# KiCad board data-center-rdimm-ddr4-tester.kicad_pcb (continued)
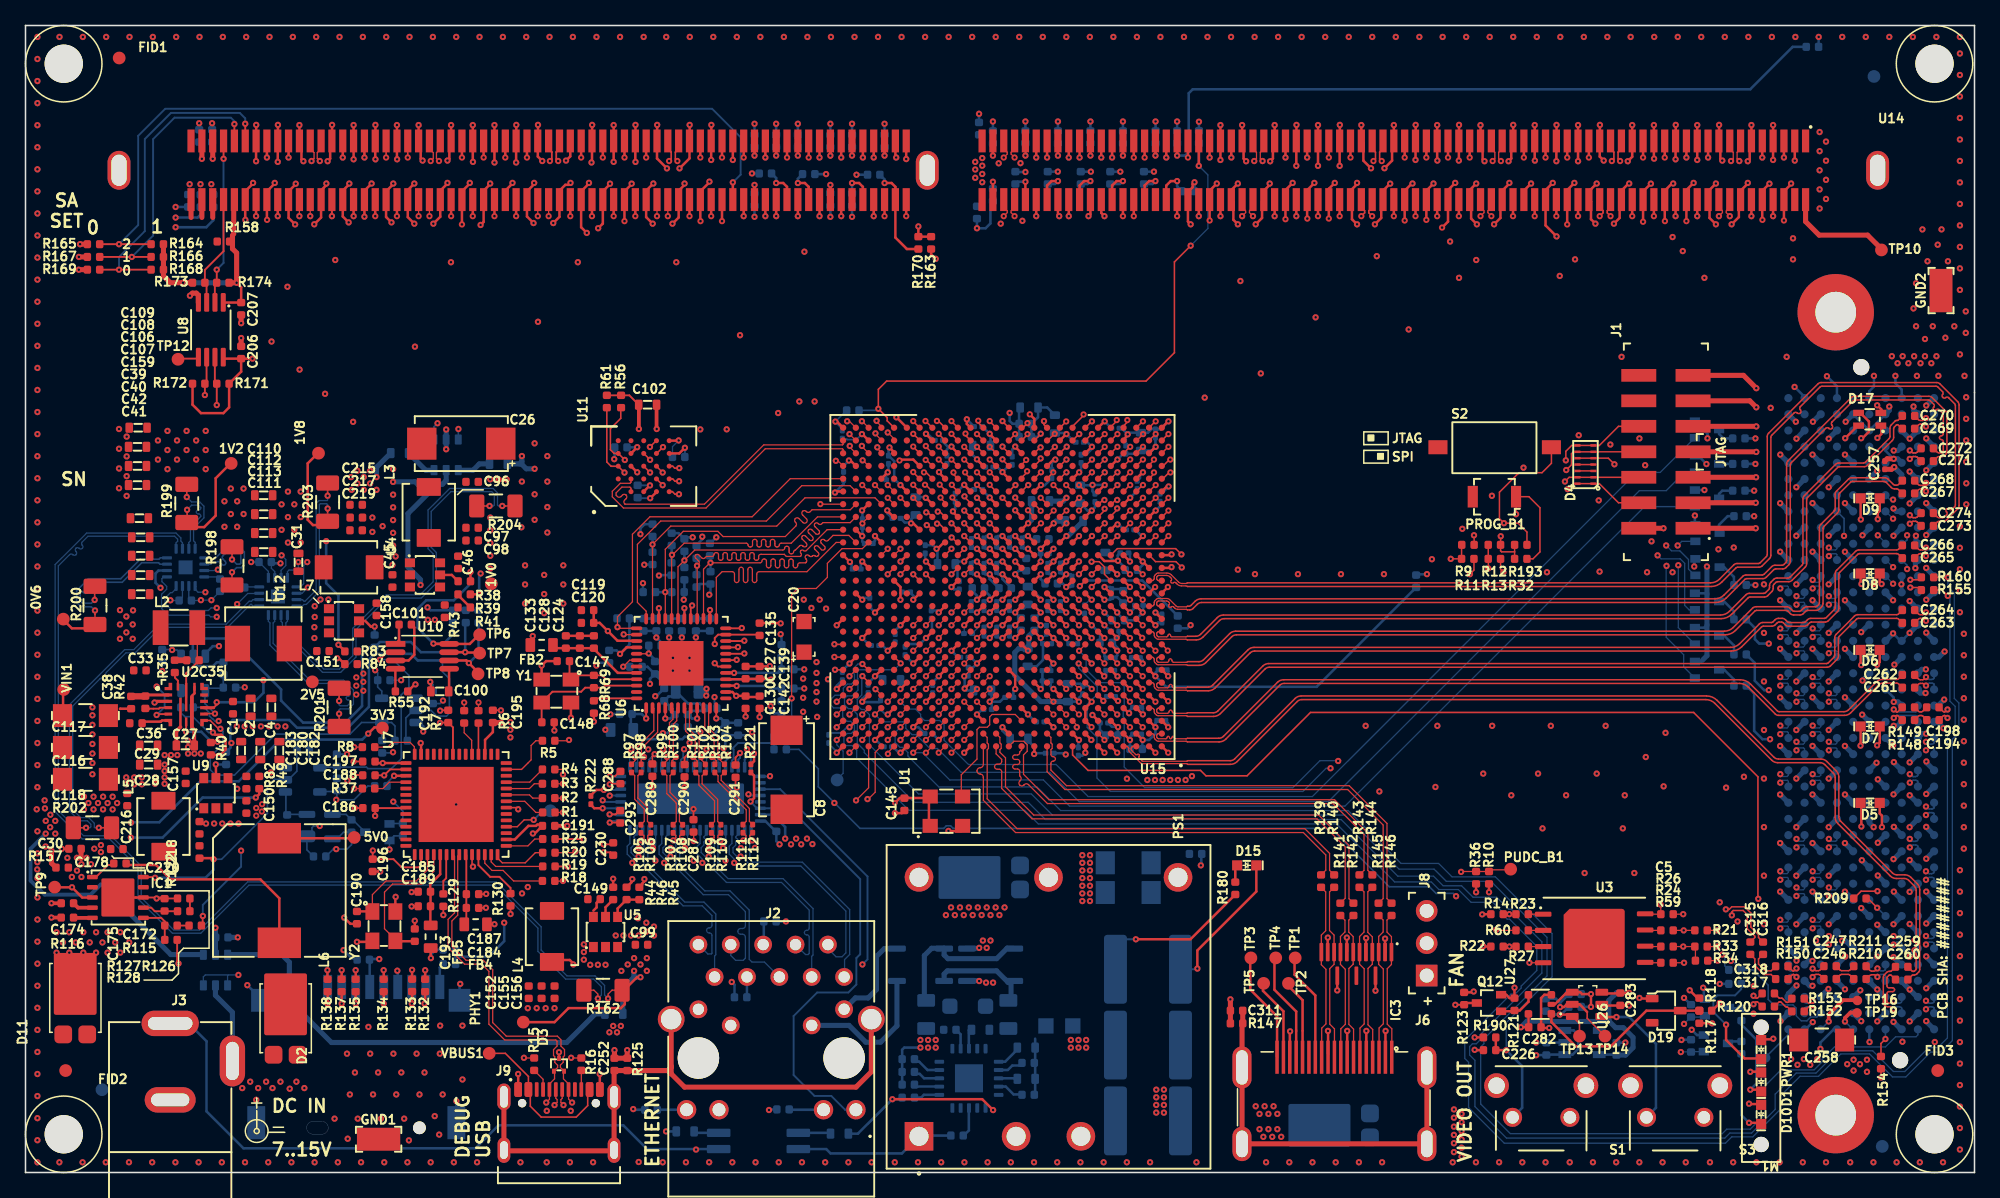
[diagram p0: board, top side]
## Footprints (pads in the part's own frame, mm; a bottom-side part is the same pattern mirrored in y, then rotated) (continued)
HDMI-A_Receptacle_WE_685119134923
  rect 0.28x2.6 smd: 1(-4.55,-5.224) 2(-4.05,-5.224) 3(-3.551,-5.224) 4(-3.051,-5.224) 5(-2.551,-5.224) 6(-2.05,-5.224) 7(-1.551,-5.224) 8(-1.051,-5.224) 9(-0.551,-5.224) 10(-0.051,-5.224) 11(0.45,-5.224) 12(0.95,-5.224) 13(1.449,-5.224) 14(1.949,-5.224) 15(2.45,-5.224) 16(2.95,-5.224) 17(3.45,-5.224) 18(3.95,-5.224) 19(4.45,-5.224)
  oval 1.5x2.7 hole 0.9x2.1: SH(-7.3,1.577) SH(7.2,1.577)
  oval 1.5x3.3 hole 0.9x2.7: SH(-7.3,-4.424) SH(7.2,-4.424)
KEMET_A
  rect 1.2x1.2 smd: 1(-1.2,0) 2(1.2,0)
KEMET_D
  rect 2.31x2.52 smd: 1(-3.1,0) 2(3.1,0)
L_1210_3225Metric
  rect 1.24x2.72 smd: 1(-1.439,0) 2(1.439,0)
L_1716_4441Metric
  rrect 1.4x1.9 smd: 1(-2,0.002) 2(2,0.002)
L_2020_5252Metric
  rect 1.981x2.794 smd: 1(-2.032,0) 2(2.031,0)
L_WE-PDF
  rect 2.4x3.4 smd: 1(-4.1,0) 2(4.099,0)
LED_0603_1608Metric_G
  rect 0.8x0.8 smd: 1(-0.75,0) 2(0.75,0)
LED_RGY_1.6x1.6mm_APTF1616
  rect 0.85x0.5 smd: 1(-0.874,0.499) 2(0.874,0.499) 3(0.874,-0.498) 4(-0.874,-0.498)
Mech_Lightpipe_Mentor_1296.2013
  round 1.2 hole 1.2 unplated: (0,4.96) (0,-4.24)
MicroSD_Wurth_693071020811
  round 1 hole 1 unplated: (-4.952,-3.482)
  rect 0.7x1.9 smd: 1(2.249,7.569) 2(1.148,7.569) 3(0.05,7.569) 4(-1.051,7.569) 5(-2.15,7.569) 6(-3.25,7.569) 7(-4.351,7.569) 8(-5.452,7.569) 9(-6.55,7.569)
  rect 1.7x1.8 smd: SH(-8.1,6.518) SH(7.4,6.518)
  rect 1.4x2.6 smd: SH(-7.851,-3.081) SH(7.849,-3.081)
mounting-hole-3mm-NPTH
  round 3 hole 3 unplated: (0,0)
NetTie-2_SMD_Pad0.127mm
  rrect 0.127x0.127 smd: 1(-0.127,0) 2(0.126,0)
Oscillator_SMD_Abracon_ASFLMB_5x3.2x0.85mm
  rect 1.1x1.2 smd: 1(-1.049,1.17) 2(-1.049,-1.369) 3(1.252,-1.369) 4(1.252,1.17)
Oscillator_SMD_Geyer_KX-7-4Pin_3.2x2.5mm
  rrect 1.3x1.1 smd: 1(-1.101,-0.949)
  rect 1.3x1.1 smd: 2(1.199,-0.949) 3(1.199,0.85) 4(-1.101,0.85)
PinHeader_1x3_P2.54mm_Drill1.1mm
  rect 1.7x1.7 hole 1.1: 1(0,0)
  round 1.7 hole 1.1: 2(2.539,0) 3(5.078,0)
PinHeader_2x7_P2mm_SMD_Shrouded_no-locator
  rect 1x2.75 smd: 1(-6,-2.128) 2(-6,2.13) 3(-4,-2.128) 4(-4,2.13) 5(-2,-2.128) 6(-2,2.13) 7(0,-2.128) 8(0,2.13) 9(1.999,-2.128) 10(1.999,2.13) 11(3.999,-2.128) 12(3.999,2.13) 13(5.998,-2.128) 14(5.998,2.13)
PowerDI5
  rrect 1.4x1.39 smd: A(-2.862,0.94) A(-2.862,-0.941)
  rrect 4.86x3.36 smd: C(1.1,0)
PROBE_PAD_1206
  rect 3.4x1.8 smd: 1(0,-0.061)
QFN-48-1EP_7x7x0.9mm_P0.5mm_EP3.5x3.5mm
  oval 0.9x0.3 smd: 1(-3.5,2.75) 2(-3.5,2.25) 3(-3.5,1.75) 4(-3.5,1.25) 5(-3.5,0.75) 6(-3.5,0.25) 7(-3.5,-0.248) 8(-3.5,-0.748) 9(-3.5,-1.249) 10(-3.5,-1.749) 11(-3.5,-2.249) 12(-3.5,-2.749) 25(3.499,-2.749) 26(3.499,-2.249) 27(3.499,-1.749) 28(3.499,-1.249) 29(3.499,-0.748) 30(3.499,-0.248) 31(3.499,0.25) 32(3.499,0.75) 33(3.499,1.25) 34(3.499,1.75) 35(3.499,2.25) 36(3.499,2.75)
  oval 0.3x0.9 smd: 13(-2.75,-3.499) 14(-2.25,-3.499) 15(-1.75,-3.499) 16(-1.25,-3.499) 17(-0.75,-3.499) 18(-0.25,-3.499) 19(0.248,-3.499) 20(0.748,-3.499) 21(1.249,-3.499) 22(1.749,-3.499) 23(2.249,-3.499) 24(2.749,-3.499) 37(2.749,3.5) 38(2.249,3.5) 39(1.749,3.5) 40(1.249,3.5) 41(0.748,3.5) 42(0.248,3.5) 43(-0.25,3.5) 44(-0.75,3.5) 45(-1.25,3.5) 46(-1.75,3.5) 47(-2.25,3.5) 48(-2.75,3.5)
  rect 3.5x3.5 smd: 49(0,0)
QFN-56-1EP_8x8mm_P0.5mm
  rrect 1.13x1.13 smd: (-2.101,2.101) (-2.101,0.7) (-2.101,-0.699) (-2.101,-2.1) (-0.7,2.101) (-0.7,0.7) (-0.7,-0.699) (-0.7,-2.1) (0.699,2.101) (0.699,0.7) (0.699,-0.699) (0.699,-2.1) (2.1,2.101) (2.1,0.7) (2.1,-0.699) (2.1,-2.1)
  rrect 0.875x0.3 smd: 1(-3.938,3.25) 2(-3.938,2.75) 3(-3.938,2.25) 4(-3.938,1.75) 5(-3.938,1.25) 6(-3.938,0.75) 7(-3.938,0.25) 8(-3.938,-0.249) 9(-3.938,-0.749) 10(-3.938,-1.249) 11(-3.938,-1.749) 12(-3.938,-2.249) 13(-3.938,-2.749) 14(-3.938,-3.249) 29(3.937,-3.249) 30(3.937,-2.749) 31(3.937,-2.249) 32(3.937,-1.749) 33(3.937,-1.249) 34(3.937,-0.749) 35(3.937,-0.249) 36(3.937,0.25) 37(3.937,0.75) 38(3.937,1.25) 39(3.937,1.75) 40(3.937,2.25) 41(3.937,2.75) 42(3.937,3.25)
  rrect 0.3x0.875 smd: 15(-3.25,-3.937) 16(-2.75,-3.937) 17(-2.25,-3.937) 18(-1.75,-3.937) 19(-1.25,-3.937) 20(-0.75,-3.937) 21(-0.25,-3.937) 22(0.249,-3.937) 23(0.749,-3.937) 24(1.249,-3.937) 25(1.749,-3.937) 26(2.249,-3.937) 27(2.749,-3.937) 28(3.249,-3.937) 43(3.249,3.938) 44(2.749,3.938) 45(2.249,3.938) 46(1.749,3.938) 47(1.249,3.938) 48(0.749,3.938) 49(0.249,3.938) 50(-0.25,3.938) 51(-0.75,3.938) 52(-1.25,3.938) 53(-1.75,3.938) 54(-2.25,3.938) 55(-2.75,3.938) 56(-3.25,3.938)
  rect 5.9x5.9 smd: 57(0,0)
R-PDSO-N15
  rrect 1.45x0.3 smd: 1(-0.95,2.75) 2(-0.95,2.25) 3(-0.95,1.75) 4(-0.95,1.25) 5(-0.95,0.75) 6(-0.95,0.25) 7(-0.95,-0.247) 8(-0.95,-0.747) 9(-0.95,-1.249) 10(-0.95,-1.749) 11(-0.95,-2.249) 12(-0.95,-2.749) 13(0.901,-1.499) 14(0.901,0) 15(0.901,1.5)
R_0201
  rrect 0.318x0.36 smd: (-0.346,0) (0.344,0)
  rrect 0.46x0.4 smd: 1(-0.32,0) 2(0.32,0)
R_0402_1005Metric
  rrect 0.59x0.64 smd: 1(-0.485,0) 2(0.485,0)
R_0603_1608Metric
  rrect 0.6x0.8 smd: 1(-0.7,0) 2(0.7,0)
R_1206_3216Metric
  rrect 1.2x1.8 smd: 1(-1.5,0) 2(1.499,0)
RJ45_5-2337992-8_Horizontal
  round 3.25 hole 3.25 unplated: (0,-8.9) (11.429,-8.9)
  round 1.397 hole 0.889: 1(0,0) 2(1.269,-2.539) 3(2.539,0) 4(3.809,-2.539) 5(5.078,0) 6(6.349,-2.539) 7(7.618,0) 8(8.89,-2.539) 9(10.159,0) 10(11.429,-2.539) 11(0,-5.078) 12(2.539,-6.339) 13(8.89,-6.339) 14(11.429,-5.07)
  round 1.524 hole 1.016: 15(-0.927,-12.958) 16(1.614,-12.958) 17(9.814,-12.958) 18(12.355,-12.958)
  round 2.1 hole 1.6: 19(-2.136,-5.85)
  round 2.108 hole 1.6: 20(13.563,-5.85)
SC70-3
  rect 0.8x0.6 smd: 1(-0.95,0.65) 2(-0.95,-0.65) 3(0.95,0)
SC-74-6_1.5x2.9mm_P0.95mm
  rrect 0.8x0.55 smd: 1(-1.214,0.955) 2(-1.214,0.003) 3(-1.214,-0.947) 4(1.187,-0.947) 5(1.187,0.003) 6(1.187,0.955)
SOD-123F
  rrect 1.2x1.2 smd: A(1.398,0) K(-1.401,0)
SOIC-4_4.55x2.6mm_P1.27
  rrect 1.85x0.65 smd: 1(-3.125,0.635) 2(-3.125,-0.634) 3(3.124,-0.634) 4(3.124,0.635)
SOT-23-3
  rrect 1x0.6 smd: 1(-1.1,0.951) 2(-1.1,-0.949) 3(1.1,0.001)
SOT-23-5
  rect 1x0.55 smd: 1(-1.351,0.951) 2(-1.351,0) 3(-1.351,-0.949) 4(1.35,-0.949) 5(1.35,0.951)
SOT-23-6
  rrect 0.55x1 smd: 1(-0.954,-1.1) 2(-0.003,-1.1) 3(0.947,-1.1) 4(0.947,1.214) 5(-0.003,1.214) 6(-0.954,1.214)
SOT-143-4
  rrect 0.94x1.31 smd: 1(-0.76,-0.998)
  rrect 0.55x1.31 smd: 2(0.959,-0.998) 3(0.959,1) 4(-0.96,1)
SOT-353
  rrect 0.6x0.6 smd: 1(-0.756,-0.893) 3(0.743,-0.893) 4(0.743,0.907) 5(-0.756,0.907)
  rrect 0.4x0.6 smd: 2(-0.006,-0.893)
SOT-723
  rect 0.4x0.3 smd: 1(-0.501,0.401) 2(-0.501,-0.399) 3(0.499,0.001)
SOT-753
  rrect 0.6x1.05 smd: 1(-0.951,-1.35) 2(0,-1.35) 3(0.949,-1.35) 4(0.949,1.351) 5(-0.951,1.351)
SW_1-1825027-1_THT
  round 1.498 hole 0.99: 1(0,0) 2(4.498,0)
  round 1.95 hole 1.3: SH(-1.256,2.492) SH(5.754,2.492)
SW_B3U-1000P_SMD
  rect 0.8x1.7 smd: 1(-1.7,0) 2(1.699,0)
SW_DS04-254-1-01BK-SMT
  rect 1.5x1.1 smd: 1(-4.472,-0.038) 2(4.428,-0.038)
Testpoint_smd_1mm
  round 1 smd: 1(0,0)
TP_SMD_0.75mm
  round 0.75 smd: 1(0,0)
TPS65295RJET
  custom 0.601x0.581 smd: 1(-1.401,1.25) 6(-1.401,-1.249) 10(1.398,-1.249) 15(1.398,1.25)
  rect 0.6x0.25 smd: 2(-1.401,0.751) 3(-1.401,0.25) 4(-1.401,-0.248) 5(-1.401,-0.749) 14(1.398,0.751)
  rect 0.2x2.238 smd: 7(-0.452,-0.583) 9(0.45,-0.583)
  rect 0.2x0.7 smd: 8(0,-1.354)
  rect 0.61x0.25 smd: 11(1.398,-0.749) 12(1.398,-0.248) 13(1.398,0.25)
  rect 0.2x0.61 smd: 16(0.65,1.401) 18(-0.652,1.401)
  rect 0.2x2.243 smd: 17(0,0.585)
TSSOP-8_3x3mm_P0.65mm
  rrect 1.47x0.4 smd: 1(-2.148,0.962) 2(-2.148,0.313) 3(-2.148,-0.338) 4(-2.148,-0.987) 5(2.151,-0.987) 6(2.151,-0.338) 7(2.151,0.313) 8(2.151,0.962)
USB-C_GCT_USB4105-GF-A
  round 0.65 hole 0.65 unplated: (-2.891,2.426) (2.89,2.426)
  rrect 0.6x1.15 smd: A1(-3.202,3.5) A4(-2.4,3.5) A9(2.398,3.5) A12(3.2,3.5) B1(3.2,3.5) B4(2.398,3.5) B9(-2.4,3.5) B12(-3.202,3.5)
  rrect 0.3x1.15 smd: A5(-1.25,3.5) A6(-0.25,3.5) A7(0.248,3.5) A8(1.249,3.5) B5(1.749,3.5) B6(0.748,3.5) B7(-0.75,3.5) B8(-1.75,3.5)
  oval 1.05x2.1 hole 0.6x1.7: SH(-4.321,2.926) SH(4.32,2.926)
  oval 1x2 hole 0.6x1.4: SH(-4.321,-1.255) SH(4.32,-1.255)
USON-14_3.5X1.3X0.5mm_P0.5mm
  rrect 0.2x0.5 smd: 1(-1.5,-0.623) 2(-1,-0.623) 3(-0.5,-0.623) 4(0,-0.623) 5(0.498,-0.623) 6(0.998,-0.623) 7(1.499,-0.623) 8(1.499,0.625) 9(0.998,0.625) 10(0.498,0.625) 11(0,0.625) 12(-0.5,0.625) 13(-1,0.625) 14(-1.5,0.625)
VQFN-16-1EP_3x3mm_P0.5mm_EP1.1x1.1mm
  rrect 0.89x0.89 smd: (0,0)
  rrect 0.775x0.25 smd: 1(-1.464,0.75) 2(-1.464,0.25) 3(-1.464,-0.247) 4(-1.464,-0.747) 9(1.461,-0.747) 10(1.461,-0.247) 11(1.461,0.25) 12(1.461,0.75)
  rrect 0.25x0.775 smd: 5(-0.75,-1.461) 6(-0.25,-1.461) 7(0.247,-1.461) 8(0.747,-1.461) 13(0.747,1.464) 14(0.247,1.464) 15(-0.25,1.464) 16(-0.75,1.464)
  rect 1.1x1.1 smd: 17(0,0)
VQFN-20_5x5x1mm_P0.65mm
  rrect 0.75x0.31 smd: 1(-2.327,1.301) 2(-2.327,0.652) 3(-2.327,0) 4(-2.327,-0.65) 5(-2.327,-1.3) 11(2.325,-1.3) 12(2.325,-0.65) 13(2.325,0) 14(2.325,0.652) 15(2.325,1.301)
  rrect 0.31x0.75 smd: 6(-1.301,-2.325) 7(-0.652,-2.325) 8(0,-2.325) 9(0.65,-2.325) 10(1.3,-2.325) 16(1.3,2.327) 17(0.65,2.327) 18(0,2.327) 19(-0.652,2.327) 20(-1.301,2.327)
  rect 2.2x2.2 smd: 21(0,0)
VSSOP-8_3x3mm_P0.65mm
  rect 1.557x0.458 smd: 1(-2.096,0.975)
  rrect 1.557x0.458 smd: 2(-2.096,0.326) 3(-2.096,-0.325) 4(-2.096,-0.974) 5(2.105,-0.974) 6(2.105,-0.325) 7(2.105,0.326) 8(2.105,0.975)
WQFN-56-1EP_5x11x1mm_P0.5mm
  rrect 0.85x0.28 smd: 1(-2.474,4.749) 2(-2.474,4.25) 3(-2.474,3.75) 4(-2.474,3.25) 5(-2.474,2.75) 6(-2.474,2.25) 7(-2.474,1.75) 8(-2.474,1.25) 9(-2.474,0.75) 10(-2.474,0.25) 11(-2.474,-0.25) 12(-2.474,-0.75) 13(-2.474,-1.25) 14(-2.474,-1.75) 15(-2.474,-2.25) 16(-2.474,-2.75) 17(-2.474,-3.25) 18(-2.474,-3.75) 19(-2.474,-4.25) 20(-2.474,-4.75) 29(2.474,-4.75) 30(2.474,-4.25) 31(2.474,-3.75) 32(2.474,-3.25) 33(2.474,-2.75) 34(2.474,-2.25) 35(2.474,-1.75) 36(2.474,-1.25) 37(2.474,-0.75) 38(2.474,-0.25) 39(2.474,0.25) 40(2.474,0.75) 41(2.474,1.25) 42(2.474,1.75) 43(2.474,2.25) 44(2.474,2.75) 45(2.474,3.25) 46(2.474,3.75) 47(2.474,4.25) 48(2.474,4.749)
  rrect 0.28x0.85 smd: 21(-1.751,-5.475) 22(-1.251,-5.475) 23(-0.751,-5.475) 24(-0.25,-5.475) 25(0.251,-5.475) 26(0.751,-5.475) 27(1.251,-5.475) 28(1.75,-5.475) 49(1.75,5.474) 50(1.251,5.474) 51(0.751,5.474) 52(0.251,5.474) 53(-0.25,5.474) 54(-0.751,5.474) 55(-1.251,5.474) 56(-1.751,5.474)
  rrect 1x1 smd: 57(-0.65,-3.2) 57(-0.65,-1.95) 57(-0.65,-0.65) 57(-0.65,0.65) 57(-0.65,1.9) 57(-0.65,3.2) 57(0.65,-3.2) 57(0.65,-1.95) 57(0.65,-0.65) 57(0.65,0.65) 57(0.65,1.9) 57(0.65,3.2)
  rrect 2.4x8.4 smd: 57(0,0)
WSON-8_6x8x0.5mm_P1.27mm
  rrect 1.3x0.4 smd: 1(-3.999,1.905) 2(-3.999,0.635) 3(-3.999,-0.634) 4(-3.999,-1.905) 5(3.999,-1.875) 6(3.999,-0.604) 7(3.999,0.665) 8(3.999,1.935)
  rrect 4.8x4.65 smd: 9(-0.001,0.001)
WSON-10_4x4
  rrect 0.85x0.356 smd: 1(-2.039,1.603) 2(-2.039,0.804) 3(-2.039,0.003) 4(-2.039,-0.797) 5(-2.039,-1.596) 6(1.961,-1.596) 7(1.961,-0.797) 8(1.961,0.003) 9(1.961,0.804) 10(1.961,1.603)
  rrect 2.6x3 smd: 11(-0.038,0.003)

## Nets
1V0_SYS: C8.1 C14.1 C17.1 C20.1 C26.1 C50.1 C52.1 C54.1 C57.1 C58.1 C59.1 C60.1 C61.1 C62.1 C63.1 C64.1 C65.1 C66.1 C67.1 C68.1 C69.1 C70.1 C77.1 C144.1 C240.1 C241.1 C242.1 C243.1 C244.1 C245.1 NT14.2 R29.2 R204.2 U15.C6 U15.E6 U15.G6 U15.J6 U15.J9 U15.K8 U15.K10 U15.K12 U15.K14 U15.L6 U15.L9 U15.L13 U15.L15 U15.M8 U15.M14 U15.N9 U15.N13 U15.N15 U15.P14 U15.R13 U15.R15 U15.T12 U15.T14 U15.U13 U15.U15
1V2_SYS: C119.1 C120.1 C122.1 C126.1 C130.1 C135.1 C138.1 C141.1 C142.1 C248.1 C249.1 C250.1 C251.1 C253.1 C254.1 C255.1 C256.1 C314.1 FB2.2 FB3.2 NT16.2 PHY1.1 R113.2 R162.2 R207.2 U6.14 U6.18 U6.23 U6.26 U6.30 U6.39 U15.B3 U15.C2 U15.D3 U15.G2 U15.H3 U15.L2 U15.M3 U15.M5
1V8_FT: C195.1 C196.1 C197.1 U7.2 U7.31 U7.43
1V8_SYS: C7.1 C9.1 C11.1 C16.1 C19.1 C22.1 C25.1 C47.1 C48.1 C49.1 C51.1 C53.1 C55.1 C56.1 C114.1 C115.1 C238.1 C239.1 NT13.2 R17.2 R203.2 U15.E8 U15.L11 U15.M10 U15.M12 U15.N6 U15.P8 U15.P10 U15.R9 U15.T8 U15.T10 U15.U11
3V3_SYS: C3.1 C5.1 C6.1 C10.1 C12.1 C13.1 C15.1 C37.1 C78.1 C82.1 C83.1 C84.1 C85.1 C86.1 C87.1 C88.1 C89.1 C90.1 C91.1 C92.1 C93.1 C94.1 C95.1 C102.1 C103.1 C104.1 C105.1 C123.1 C127.1 C131.1 C136.1 C139.1 C145.1 C186.1 C188.1 C191.1 C192.1 C206.1 C230.1 C234.1 C235.1 C287.1 C288.1 C289.1 C290.1 C291.1 C292.1 C293.1 C298.1 C299.1 C300.1 C301.1 C302.1 C303.1 C304.1 C305.1 C306.1 C307.1 C308.1 C309.1 C310.1 D1.1 D5.1 D6.1 D7.1 D8.1 D9.1 D10.1 D17.1 FB1.1 FB4.1 FB5.1 IC3.13 IC3.15 J1.2 J5.C39 J5.D36 J5.D38 J5.D40 J7.4 NT12.2 PWR1.1 R9.2 R10.1 R12.2 R14.1 R21.1 R22.1 R28.1 R32.1 R33.1 R56.1 R57.1 R58.1 R61.1 R62.2 R67.2 R70.2 R71.2 R72.2 R73.2 R74.2 R75.2 R76.2 R78.2 R79.2 R80.2 R81.2 R114.2 R130.1 R131.1 R132.1 R133.1 R134.1 R135.1 R137.1 R138.1 R154.2 R155.1 R160.1 R171.1 R172.1 R186.2 R190.1 R193.2 R194.1 R195.1 R202.2 R208.2 R209.2 U1.1 U1.4 U3.8 U6.16 U6.34 U6.40 U7.16 U7.36 U7.44 U7.50 U8.8 U11.B4 U11.D1 U11.E4 U15.A11 U15.A21 U15.AA21 U15.AC25 U15.AD22 U15.AF26 U15.B8 U15.B18 U15.C15 U15.C25 U15.D12 U15.D22 U15.E9 U15.E19 U15.F16 U15.F26 U15.G13 U15.G23 U15.H10 U15.H20 U15.J17 U15.L7 U15.L21 U15.M18 U15.T6 U15.U23 U15.V20 U15.Y24 U16.4 U16.10 U16.18 U16.27 U16.38 U16.50 U16.56 U19.2 U19.6 U20.2 U20.6
5V0_SYS: C1.1 C2.1 C4.1 C45.1 C99.1 C101.1 C150.1 C151.1 C232.1 C233.1 C236.1 C237.1 C275.1 C284.1 C285.1 J8.1 NT11.2 R40.2 R86.1 R87.1 R88.1 R192.1 R201.2 U2.13 U2.14 U4.3 U5.3 U9.3 U10.1 U12.3 U17.5 U18.4 U21.5 U22.5 U23.5 U24.5
5V_ON_OFF: C281.1 C282.1 C283.1 U25.5 U26.3 U27.5
/Ethernet/AVDDH: C132.1 C137.1 C140.1 FB1.2 U6.1 U6.12
/Ethernet/AVDDL: C121.1 C125.1 C129.1 C134.1 FB3.1 U6.4 U6.9
/Ethernet/AVDDL_PLL: C124.2 C128.2 C133.2 FB2.1 U6.44
/Ethernet/VDD: C222.1 C223.1 C224.1 C225.1 D14.K FB9.2 PS1.3 R175.2 R177.2 R180.2 R181.2 R182.2 U13.1
/Ethernet/VDD_RAW: D12.2 D13.2 FB9.1
/Ethernet/VSS: C222.2 D14.A FB10.2 R85.1 R156.1 R159.1 R161.1 R176.1 U13.4 U13.5 U13.21
/Ethernet/VSS_RAW: D12.1 D13.1 FB10.1
/Supply/1V0_SEN_+: NT10.1 U20.10
/Supply/1V0_SEN_-: NT14.1 U20.9
/Supply/1V8_SEN_+: NT9.1 U20.8
/Supply/1V8_SEN_-: NT13.1 U20.7
/Supply/3V3_SEN_+: NT8.1 U20.13
/Supply/3V3_SEN_-: NT12.1 U20.14
/Supply/5V0_SEN_+: NT7.1 U20.11
/Supply/5V0_SEN_-: NT11.1 U20.12
/Supply/VCC1V2_SEN_+: NT15.1 U19.10
/Supply/VCC1V2_SEN_-: NT16.1 U19.9
/Supply/VCC_AUX_EN: R48.1 R87.2 R197.1 TP7.1 U10.7 U17.1 U23.2
/Supply/VCC_INT_EN: R38.1 R86.2 TP6.1 U10.8 U17.3
/Supply/VCC_IO_EN: R44.1 R47.1 R88.2 R196.1 TP8.1 U10.6 U22.2 U24.1 U24.3
/Supply/VDDQ_SEN_+: NT2.1 U19.11
/Supply/VDDQ_SEN_-: NT4.1 U19.12
GND: C1.2 C2.2 C3.2 C4.2 C5.2 C6.2 C7.2 C8.2 C9.2 C10.2 C11.2 C12.2 C13.2 C14.2 C15.2 C16.2 C17.2 C18.2 C19.2 C20.2 C21.2 C22.2 C23.2 C24.2 C25.2 C26.2 C27.2 C28.2 C29.2 C30.2 C31.2 C32.2 C33.2 C34.2 C36.2 C37.2 C38.2 C39.2 C40.2 C41.2 C42.2 C43.2 C44.2 C45.2 C47.2 C48.2 C49.2 C50.2 C51.2 C52.2 C53.2 C54.2 C55.2 C56.2 C57.2 C58.2 C59.2 C60.2 C61.2 C62.2 C63.2 C64.2 C65.2 C66.2 C67.2 C68.2 C69.2 C70.2 C71.2 C72.2 C73.2 C74.2 C75.2 C76.2 C77.2 C78.2 C79.2 C80.2 C81.2 C82.2 C83.2 C84.2 C85.2 C86.2 C87.2 C88.2 C89.2 C90.2 C91.2 C92.2 C93.2 C94.2 C95.2 C96.2 C97.2 C98.2 C99.2 C100.2 C101.2 C102.2 C103.2 C104.2 C105.2 C106.2 C107.2 C108.2 C109.2 C110.2 C111.2 C112.2 C113.2 C114.2 C115.2 C116.2 C117.2 C118.2 C119.2 C120.2 C121.2 C122.2 C123.2 C124.1 C125.2 C126.2 C127.2 C128.1 C129.2 C130.2 C131.2 C132.2 C133.1 C134.2 C135.2 C136.2 C137.2 C138.2 C139.2 C140.2 C141.2 C142.2 C143.2 C144.2 C145.2 C146.2 C147.2 C148.2 C150.2 C151.2 C152.2 C153.2 C154.2 C155.2 C156.2 C159.2 C160.2 C161.2 C162.2 C163.2 C164.2 C165.2 C166.2 C167.2 C168.2 C169.2 C170.2 C171.2 C172.2 C173.2 C174.1 C175.2 C176.2 C177.2 C179.2 C180.2 C181.2 C182.2 C183.2 C184.2 C185.2 C186.2 C187.2 C188.2 C189.2 C190.2 C191.2 C192.2 C193.2 C195.2 C196.2 C197.2 C199.2 C200.2 C201.2 C202.2 C203.2 C204.2 C205.2 C206.2 C207.2 C208.2 C209.2 C210.2 C211.2 C212.2 C213.2 C214.2 C215.2 C216.2 C217.2 C218.2 C219.2 C220.2 C221.2 C226.2 C227.2 C228.2 C229.2 C230.2 C231.2 C232.2 C233.2 C234.2 C235.2 C236.2 C237.2 C238.2 C239.2 C240.2 C241.2 C242.2 C243.2 C244.2 C245.2 C248.2 C249.2 C250.2 C251.2 C252.2 C253.2 C254.2 C255.2 C256.2 C257.2 C258.2 C275.2 C276.2 C277.2 C278.2 C279.2 C280.2 C281.2 C282.2 C283.2 C284.2 C285.2 C286.2 C287.2 C288.2 C289.2 C290.2 C291.2 C292.2 C293.2 C294.2 C295.2 C296.2 C297.2 C298.2 C299.2 C300.2 C301.2 C302.2 C303.2 C304.2 C305.2 C306.2 C307.2 C308.2 C309.2 C310.2 C311.2 C312.2 C313.2 C314.2 D2.A D3.3 D4.5 D4.10 D19.1 GND1.1 GND2.1 IC1.8 IC1.11 IC3.2 IC3.5 IC3.8 IC3.11 J1.1 J1.3 J1.5 J1.7 J1.9 J1.11 J1.13 J3.2 J3.3 J5.A1 J5.A4 J5.A5 J5.A8 J5.A9 J5.A12 J5.A13 J5.A16 J5.A17 J5.A20 J5.A21 J5.A24 J5.A25 J5.A28 J5.A29 J5.A32 J5.A33 J5.A36 J5.A37 J5.A40 J5.B2 J5.B3 J5.B6 J5.B7 J5.B10 J5.B11 J5.B14 J5.B15 J5.B18 J5.B19 J5.B22 J5.B23 J5.B26 J5.B27 J5.B30 J5.B31 J5.B34 J5.B35 J5.B38 J5.B39 J5.C1 J5.C4 J5.C5 J5.C8 J5.C9 J5.C12 J5.C13 J5.C16 J5.C17 J5.C20 J5.C21 J5.C24 J5.C25 J5.C28 J5.C29 J5.C32 J5.C33 J5.C36 J5.C38 J5.C40 J5.D2 J5.D3 J5.D6 J5.D7 J5.D10 J5.D13 J5.D16 J5.D19 J5.D22 J5.D25 J5.D28 J5.D37 J5.D39 J5.E1 J5.E4 J5.E5 J5.E8 J5.E11 J5.E14 J5.E17 J5.E20 J5.E23 J5.E26 J5.E29 J5.E32 J5.E35 J5.E38 J5.E40 J5.F2 J5.F3 J5.F6 J5.F9 J5.F12 J5.F15 J5.F18 J5.F21 J5.F24 J5.F27 J5.F30 J5.F33 J5.F36 J5.F39 J5.G1 J5.G4 J5.G5 J5.G8 J5.G11 J5.G14 J5.G17 J5.G20 J5.G23 J5.G26 J5.G29 J5.G32 J5.G35 J5.G38 J5.G40 J5.H3 J5.H6 J5.H9 J5.H12 J5.H15 J5.H18 J5.H21 J5.H24 J5.H27 J5.H30 J5.H33 J5.H36 J5.H39 J5.J1 J5.J4 J5.J5 J5.J8 J5.J11 J5.J14 J5.J17 J5.J20 J5.J23 J5.J26 J5.J29 J5.J32 J5.J35 J5.J38 J5.J40 J5.K2 J5.K3 J5.K6 J5.K9 J5.K12 J5.K15 J5.K18 J5.K21 J5.K24 J5.K27 J5.K30 J5.K33 J5.K36 J5.K39 J6.2 J6.5 J6.8 J6.11 J6.17 J7.6 J7.SH J8.3 J9.A1 J9.A12 J9.B1 J9.B12 PROG_B1.2 PS1.6 Q1.2 Q2.2 Q3.2 Q4.2 Q5.2 Q6.2 Q7.2 Q8.2 Q9.2 Q10.2 Q11.2 Q12.2 R11.2 R13.2 R15.1 R16.2 R34.2 R36.2 R43.2 R46.2 R55.2 R64.2 R66.2 R68.1 R77.2 R82.2 R84.2 R89.2 R90.2 R91.2 R92.2 R93.2 R94.2 R95.2 R96.2 R116.1 R119.2 R120.1 R121.2 R124.1 R125.1 R128.2 R129.1 R147.1 R165.2 R167.2 R169.2 R184.2 R185.1 R212.1 R213.2 R214.1 R215.1 R216.2 R217.2 S1.2 S1.SH S2.2 S3.2 S3.SH U1.2 U2.3 U2.9 U2.16 U3.4 U4.1 U5.1 U6.29 U6.49 U7.10 U7.21 U7.41 U7.45 U7.57 U8.4 U9.1 U10.3 U11.B3 U11.C1 U11.E5 U12.1 U14.2 U14.4 U14.6 U14.9 U14.11 U14.13 U14.15 U14.17 U14.20 U14.22 U14.24 U14.26 U14.28 U14.31 U14.33 U14.35 U14.37 U14.39 U14.42 U14.44 U14.46 U14.48 U14.50 U14.53 U14.55 U14.94 U14.96 U14.98 U14.101 U14.103 U14.105 U14.107 U14.109 U14.112 U14.114 U14.116 U14.118 U14.120 U14.123 U14.125 U14.127 U14.129 U14.131 U14.134 U14.136 U14.138 U14.147 U14.149 U14.151 U14.154 U14.156 U14.158 U14.160 U14.162 U14.165 U14.167 U14.169 U14.171 U14.173 U14.176 U14.178 U14.180 U14.182 U14.184 U14.187 U14.189 U14.191 U14.193 U14.195 U14.198 U14.200 U14.202 U14.239 U14.241 U14.243 U14.246 U14.248 U14.250 U14.252 U14.254 U14.257 U14.259 U14.261 U14.263 U14.265 U14.268 U14.270 U14.272 U14.274 U14.276 U14.279 U14.281 U14.283 U15.A1 U15.A2 U15.A5 U15.A6 U15.A7 U15.A16 U15.A26 U15.AA6 U15.AA16 U15.AA26 U15.AB3 U15.AB13 U15.AB23 U15.AC10 U15.AC20 U15.AD7 U15.AD17 U15.AE4 U15.AE14 U15.AE24 U15.AF1 U15.AF11 U15.AF21 U15.B4 U15.B7 U15.B13 U15.B23 U15.C1 U15.C5 U15.C7 U15.C10 U15.C20 U15.D4 U15.D7 U15.D17 U15.E1 U15.E2 U15.E5 U15.E7 U15.E14 U15.E24 U15.F3 U15.F4 U15.F7 U15.F11 U15.F21 U15.G1 U15.G5 U15.G8 U15.G18 U15.H4 U15.H7 U15.H15 U15.H25 U15.J1 U15.J2 U15.J5 U15.J12 U15.J22 U15.K3 U15.K4 U15.K7 U15.K9 U15.K11 U15.K13 U15.K19 U15.L1 U15.L5 U15.L10 U15.L12 U15.L14 U15.L16 U15.L26 U15.M4 U15.M7 U15.M9 U15.M11 U15.M13 U15.M15 U15.M23 U15.N1 U15.N2 U15.N5 U15.N7 U15.N10 U15.N11 U15.N12 U15.N14 U15.N20 U15.P3 U15.P4 U15.P9 U15.P11 U15.P12 U15.P13 U15.P15 U15.P17 U15.R1 U15.R2 U15.R5 U15.R8 U15.R10 U15.R11 U15.R12 U15.R14 U15.R24 U15.T1 U15.T3 U15.T4 U15.T9 U15.T11 U15.T13 U15.T15 U15.T21 U15.U8 U15.U10 U15.U12 U15.U14 U15.U18 U15.V5 U15.V15 U15.V25 U15.W2 U15.W12 U15.W22 U15.Y9 U15.Y19 U16.1 U16.6 U16.9 U16.13 U16.16 U16.19 U16.21 U16.24 U16.28 U16.33 U16.39 U16.44 U16.49 U16.53 U16.55 U16.57 U17.2 U18.1 U19.1 U19.3 U19.15 U20.1 U20.3 U20.15 U21.3 U22.3 U23.3 U24.2 U25.2 U26.2 U27.3 Y1.2 Y1.4 Y2.2 Y2.4
GND1: C311.1 J6.SH R147.2
GNDD: C223.2 C224.2 C225.2 D15.2 PS1.2 R179.1 R183.1 U13.11 U13.12
GNDS: C252.1 J2.19 J2.20 J9.SH R125.2
VBUS: J9.A4 J9.A9 J9.B4 J9.B9 VBUS1.1
VCC0V6: 0V6.1 C38.1 NT3.2 R42.2 R200.1 U2.2
VCC1V0: 1V0.1 C96.1 C97.1 C98.1 L3.2 NT10.2 R39.1 R204.1
VCC1V2: C152.1 C155.1 C156.1 L4.2 NT15.2 R45.1 R162.1
VCC1V8: 1V8.1 C215.1 C217.1 C219.1 L7.2 NT9.2 R83.1 R203.1
VCC2V5: 2V5.1 C31.1 L1.2 NT1.2 R198.1 U2.12
VCC3V3: 3V3.1 C216.1 C218.1 C220.1 L5.2 NT8.2 R49.1 R202.1
VCC5V0: 5V0.1 C180.1 C182.1 C183.1 L6.2 NT7.2 R122.1 R126.1 R201.1
VDD1V2: 1V2.1 C33.1 C39.1 C40.1 C41.1 C42.1 C159.1 L2.2 NT2.2 R199.1 U2.1 U2.5
VDDQ: C21.1 C23.1 C24.1 C32.1 C34.1 C43.1 C44.1 C71.1 C72.1 C73.1 C74.1 C75.1 C76.1 C79.1 C80.1 C81.1 C106.1 C107.1 C108.1 C109.1 C143.1 C153.1 C154.1 C160.1 C161.1 C162.1 C163.1 C164.1 C165.1 C166.1 C167.1 C168.1 C169.1 C170.1 C171.1 C173.1 C176.1 C177.1 C179.1 C181.1 C208.1 C209.1 C210.1 C211.1 C212.1 C213.1 C214.1 C231.1 C276.1 C277.1 C278.1 C279.1 C286.1 C294.1 C295.1 C296.1 C297.1 C313.1 NT4.2 R63.2 R65.1 R170.1 R199.2 U14.59 U14.61 U14.64 U14.67 U14.70 U14.73 U14.76 U14.80 U14.83 U14.85 U14.88 U14.90 U14.92 U14.204 U14.206 U14.209 U14.212 U14.215 U14.217 U14.220 U14.223 U14.226 U14.229 U14.231 U14.233 U14.236 U15.AA1 U15.AA11 U15.AB8 U15.AB18 U15.AC5 U15.AC15 U15.AD2 U15.AD12 U15.AE9 U15.AE19 U15.AF6 U15.AF16 U15.K24 U15.N25 U15.P22 U15.R19 U15.T16 U15.T26 U15.U3 U15.V10 U15.W7 U15.W17 U15.Y4 U15.Y14
VDDSPD: C207.1 R158.2 R164.1 R166.1 R168.1 R173.1 R174.1 U8.1 U14.284
VIN: C27.1 C28.1 C29.1 C30.1 C116.1 C117.1 C118.1 C280.1 D11.C D16.C D18.C IC1.2 R123.2 R157.1 U2.7 U25.1 U25.3 VIN1.1
